# KiCad board Claculator_Display.kicad_pcb (continued)
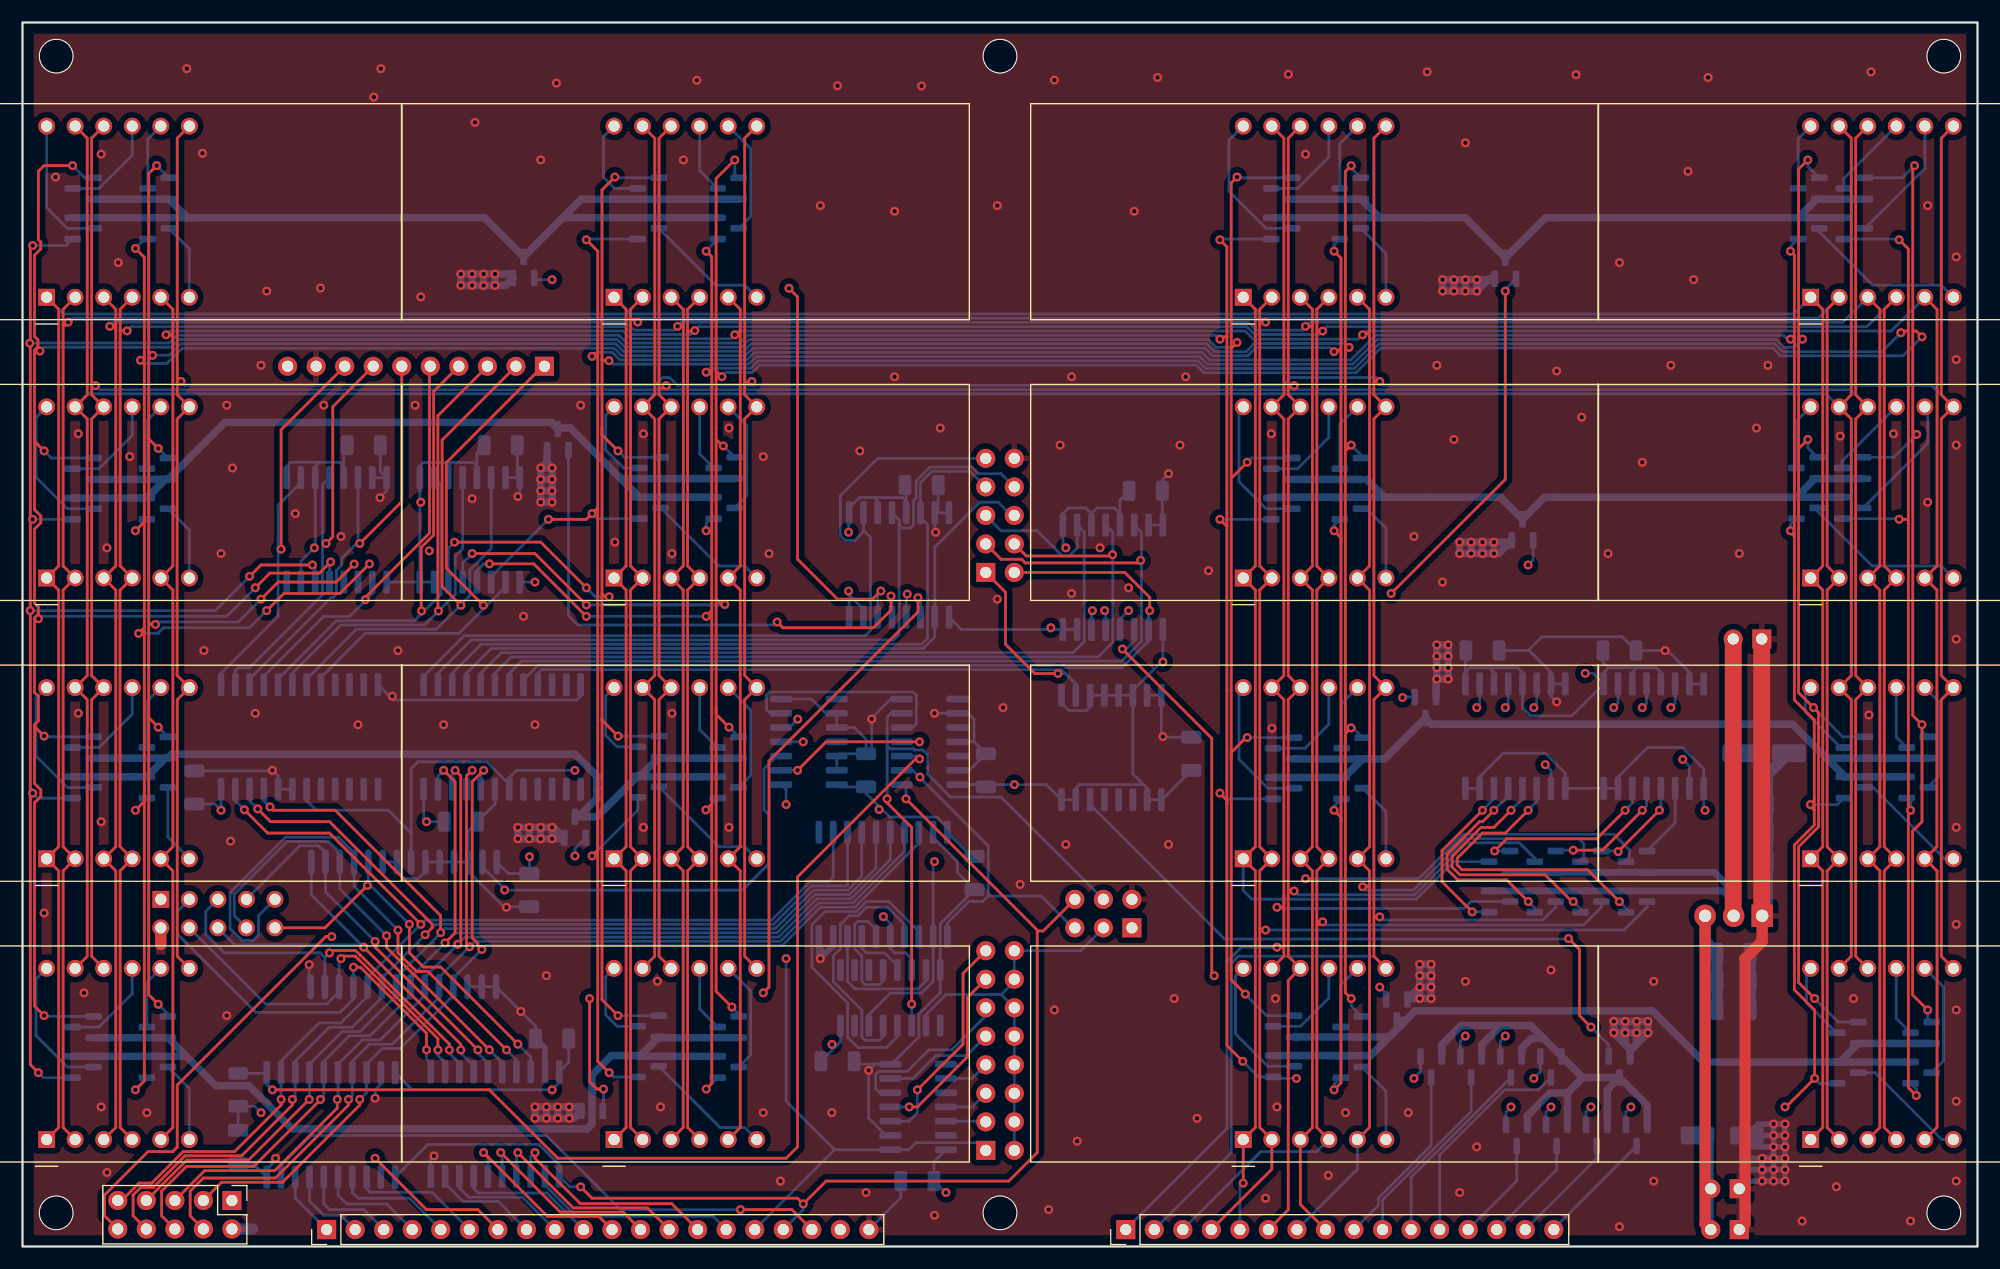
[diagram p0: board, top side]
## Routing (per net, layer and track width the routed paths; a pad name or vN(x,y) marks a point on that pad's centre or on a via; arc(x,y) is an arc through that point) (continued)
DISP0b: length 75.1
  Bottom w0.25: U10.1 35.71,50.79 39.31,54.39 75.02,54.39 75.47,54.84 75.47,63.15 74.84,63.77 U34.2 74.84,63.66 74.06,62.88 73.22,62.88 72.8,63.3 72.8,66.88 76.11,70.18 J8.9
DISP1b: length 70.4
  Bottom w0.25: 78.02,64.6 78.02,64.28 78.3,63.99 79.01,63.99 79.3,64.29 79.3,66.42 79.55,66.67 79.55,68.19 80.77,69.41 84.5,69.41 85.09,68.82 87.09,68.82 J8.8 ; 78.02,64.6 78.02,64.71 U34.4 ; 78.02,64.6 78.02,54.51 77.52,54.01 39.94,54.01 36.98,51.05 U10.2
DISP2b: length 65.5
  Bottom w0.25: J8.7 84.35,69.03 80.92,69.03 79.92,68.03 U34.6 79.92,64.91 80.55,64.29 80.55,54.17 80.02,53.64 40.83,53.64 38.25,51.05 U10.3
DISP3b: length 61.3
  Bottom w0.25: J8.6 88.02,65.1 86.84,66.28 85.2,66.28 81.2,62.27 U34.10 81.2,54.28 80.18,53.26 41.73,53.26 39.52,51.05 U10.4
DISP4b: length 78.5
  Bottom w0.25: U10.5 40.79,51.05 42.62,52.88 93.51,52.88 94.5,53.87 94.5,63.62 U35.2 93.87,62.21 93.16,61.49 92.56,61.49 90.31,63.74 87.09,63.74 J8.5
DISP5b: length 77.1
  Top w0.25: v1(97.02,61.6) 96.91,61.49 89.34,61.49 J8.4
  Bottom w0.25: U10.6 42.06,51.05 43.51,52.5 95.73,52.5 97.04,53.81 97.04,61.58 v1(97.02,61.6) 97.04,61.62 97.04,63.62 U35.4
DISP6b: length 83.7
  Top w0.25: v1(99.52,61.1) 99.3,60.88 89.24,60.88 88.92,61.2 87.09,61.2 J8.3
  Bottom w0.25: U10.7 43.33,51.05 44.41,52.13 97.83,52.13 99.6,53.89 99.6,61.02 v1(99.52,61.1) 99.6,61.18 99.6,63.6 U35.6
DISP7b: length 74.6
  Top w0.25: J8.2 98.1,60.02 100.32,57.81 v1(100.32,56.63)
  Bottom w0.25: U10.8 44.6,50.45 45.89,51.75 92.64,51.75 92.84,51.55 97.85,51.55 100.22,53.92 U35.10 100.22,56.53 v1(100.32,56.63)
DISP8b: length 65.3
  Top w0.25: J8.1 87.48,58.27 87.48,53.63 90.09,51.03 v1(92.16,51.03)
  Bottom w0.25: U10.9 45.87,51.05 46.19,51.37 92.48,51.37 93.64,50.22 ; 93.64,50.22 93.74,50.11 U36.2 ; 93.64,50.22 92.83,51.03 v1(92.16,51.03)
Phi2: length 58.5
  In2.Cu w0.25: v1(67.96,25.64) v1(67.96,39.36)
  Bottom w0.25: U4.1 67.96,40.69 v1(67.96,39.36) ; J1.1 85.05,9.25 79.51,9.25 78.89,8.62 U8.1 72.28,8.62 ; 72.28,8.62 67.96,12.94 v1(67.96,25.64) ; 72.28,8.62 J4.16
RAM_A0: length 105
  Top w0.25: v1(35.45,28.69) 35.45,28.7 27.33,36.82 21.83,36.82 v1(19.75,38.89) ; v1(23.02,13.1) 23.02,12.6 18.87,8.45 14.31,8.45 11.51,5.65 10.38,5.65 8.83,4.1 J3.9
  Bottom w0.25: v1(23.02,13.1) 23.01,13.11 U1.12 23.01,16.5 26.41,19.91 28.34,19.91 30.72,22.29 30.72,23.96 v1(35.45,28.69) 35.83,29.06 66.67,29.06 70.09,32.49 71.77,32.49 72.15,32.88 U6.12 ; U9.23 18.94,39.7 v1(19.75,38.89)
RAM_A1: length 109.4
  Top w0.25: v1(20.94,38.97) 22.08,37.83 27.33,37.83 36.47,28.7 36.47,28.4 v1(35.84,27.77) ; J3.8 9.84,2.73 9.84,4.59 10.53,5.28 11.66,5.28 14.46,8.08 19.5,8.08 24.02,12.6 v1(24.02,13.1)
  Bottom w0.25: v1(24.02,13.1) 24.28,13.36 U1.13 24.28,16.5 27.31,19.53 29.34,19.53 31.99,22.18 U5.9 31.99,23.91 33.68,25.6 33.68,25.6 33.68,25.6 35.84,27.76 v1(35.84,27.77) 35.85,27.77 36.77,28.69 66.82,28.69 70.25,32.11 73.3,32.11 73.42,32.24 U6.13 ; U9.22 20.21,39.7 v1(20.94,38.97)
RAM_A2: length 104.8
  Top w0.25: v1(37.22,27.96) 37.22,29.46 27.83,38.85 22.33,38.85 v1(22.03,39.15) ; J3.7 14.62,7.7 20.12,7.7 v1(25.52,13.1)
  Bottom w0.25: U9.21 21.48,39.7 v1(22.03,39.15) ; v1(25.52,13.1) 25.55,13.13 U1.14 25.55,16.24 28.45,19.15 30.05,19.15 33.26,22.36 U5.8 33.26,23.96 37.22,27.91 v1(37.22,27.96) 37.57,28.31 66.97,28.31 70.4,31.74 73.45,31.74 74.7,32.98 U6.14
RAM_A3: length 103.4
  Top w0.25: v1(26.52,13.1) 26.52,13.07 20.58,7.13 14.59,7.13 12.39,4.93 12.39,2.73 J3.6 ; v1(37.48,42.4) 38.5,41.39 38.5,27.92 v1(37.61,27.04)
  Bottom w0.25: v1(37.48,42.4) 36.98,41.9 U10.23 ; 75.96,36.89 75.96,33.72 73.59,31.34 70.54,31.34 67.13,27.93 38.51,27.93 v1(37.61,27.04) 34.53,23.96 U5.7 34.53,22.36 30.94,18.77 29.09,18.77 26.82,16.5 U1.15 26.82,13.4 v1(26.52,13.1)
RAM_A4: length 99.5
  Top w0.25: J3.5 16.22,6.76 22.44,6.76 28.02,12.33 v1(28.02,13.1) ; v1(38.5,42.41) 39.01,41.9 39.01,27.18 v1(38.75,26.92)
  Bottom w0.25: U10.22 38.25,42.15 v1(38.5,42.41) ; U6.16 77.23,34.45 73.75,30.97 70.7,30.97 67.29,27.55 39.38,27.55 v1(38.75,26.92) 35.8,23.97 U5.6 35.8,22.36 31.84,18.4 30.24,18.4 28.09,16.24 U1.16 28.09,13.17 v1(28.02,13.1)
RAM_A5: length 102.8
  Top w0.25: v1(39.8,26.69) 39.52,26.97 39.52,41.9 v1(40.02,42.41) ; J3.4 14.92,2.73 14.92,4.93 16.09,6.1 22.52,6.1 29.02,12.6 v1(29.02,13.1)
  Bottom w0.25: v1(40.02,42.41) 39.52,41.9 U10.21 ; v1(29.02,13.1) 29.36,13.44 U1.17 29.36,16.5 30.87,18.02 32.91,18.02 37.07,22.18 U5.5 37.07,23.98 39.79,26.69 v1(39.8,26.69) 39.8,26.7 40.27,27.18 67.44,27.18 70.86,30.59 73.9,30.59 78.51,35.19 U6.17
RAM_A6: length 99
  Top w0.25: v1(41.04,42.4) 40.02,41.39 40.02,27.49 40.52,26.99 40.52,26.81 v1(40.88,26.45) ; v1(30.02,13.1) 30.02,12.6 23.14,5.72 17.72,5.72 J3.3
  Bottom w0.25: v1(41.04,42.4) 40.79,42.15 U10.20 ; U6.18 79.77,35.93 74.06,30.21 71.01,30.21 67.6,26.8 41.23,26.8 v1(40.88,26.45) 38.34,23.91 38.34,22.36 33.62,17.64 32.03,17.64 30.63,16.24 U1.18 30.63,13.71 v1(30.02,13.1)
RAM_D0: length 161.7
  Top w0.25: v1(29.45,24.87) 30.08,24.87 35.96,18.99 v1(35.96,17.51)
  In2.Cu w0.25: v1(35.96,17.51) 36.25,17.8 36.25,17.81 36.68,18.24 37.21,18.24 38.74,19.76 44.81,19.76 45.2,19.38 68.84,19.38 97.29,47.82 127.26,47.82 128.83,49.39 134.61,49.39 135.58,48.43 135.58,47.55 134.66,46.64 130.79,46.64 v1(129.43,47.99)
  Bottom w0.25: v1(129.43,47.99) 129.69,48.25 U14.2 ; v1(29.45,24.87) U5.11 29.45,22.03 28.27,20.85 20.77,20.85 13.77,27.84 13.77,29.84 J2.3 ; v1(35.96,17.51) 35.96,16.72 36.34,16.34 U2.11
RAM_D1: length 153.4
  Top w0.25: v1(28.34,25.64) 28.56,25.86 29.61,25.86 29.92,25.55 29.93,25.55 36.98,18.51 v1(36.98,17.51)
  In2.Cu w0.25: v1(131.97,47.99) 132.99,46.98 134.52,46.98 135.24,47.69 135.24,48.29 134.47,49.06 128.97,49.06 127.4,47.48 97.43,47.48 68.98,19.04 45.06,19.04 44.67,19.42 38.88,19.42 36.98,17.52 v1(36.98,17.51)
  Bottom w0.25: v1(36.98,17.51) 36.98,17 37.61,16.37 U2.12 ; v1(28.34,25.64) 28.18,25.48 28.18,23.14 ; v1(131.97,47.99) 132.23,48.25 U14.4 ; 28.18,23.14 28.18,22.7 27.08,21.6 21.63,21.6 J2.4 ; 28.18,23.14 28.12,23.2
RAM_D2: length 147.5
  Top w0.25: v1(37.99,17.51) 37.99,18.02 30.09,25.93 30.07,25.93 29.64,26.36 27.54,26.36 v1(27.32,26.15)
  In2.Cu w0.25: v1(134.51,47.99) 133.79,48.72 129.11,48.72 127.54,47.15 97.6,47.15 69.15,18.7 44.91,18.7 44.53,19.08 39.55,19.08 37.99,17.52 v1(37.99,17.51)
  Bottom w0.25: v1(134.51,47.99) 134.77,48.25 U14.6 ; U5.13 26.91,25.74 ; J2.5 16.31,29.84 16.31,27.8 17.97,26.15 26.5,26.15 26.91,25.74 ; U2.13 38.88,16.33 37.99,17.22 v1(37.99,17.51) ; 26.91,25.74 v1(27.32,26.15)
RAM_D3: length 148
  Top w0.25: v1(39.01,17.51) 39.01,18.02 v1(30.37,26.66)
  In2.Cu w0.25: 69.35,18.36 44.77,18.36 44.39,18.75 40.24,18.75 v1(39.01,17.51) ; 69.35,18.36 93.51,42.53 135.14,42.53 v1(135.53,42.91)
  Bottom w0.25: U14.10 136.04,42.4 v1(135.53,42.91) ; v1(39.01,17.51) 39.01,17.24 40.15,16.09 U2.14 ; U5.15 25.7,31.32 v1(30.37,26.66) 30.15,26.87 18.9,26.87 J2.6
RAM_D4: length 169.5
  Top w0.25: v1(40.53,17.51) 31.39,26.66 v1(31.39,27.16)
  In2.Cu w0.25: v1(141.62,47.99) 142.35,47.27 144.95,47.27 146.4,48.72 147,48.72 148.83,46.89 148.83,42.94 147.4,41.51 93.94,41.51 69.77,17.34 44.91,17.34 44.36,16.79 41.26,16.79 40.83,17.22 40.83,17.51 v1(40.53,17.51)
  Bottom w0.25: v1(40.53,17.51) 40.53,17.22 41.42,16.33 U2.15 ; v1(31.39,27.16) 26.97,31.58 U5.16 26.97,35.06 26.35,35.69 24.7,35.69 J2.7 ; U15.2 142,48.37 v1(141.62,47.99)
RAM_D5: length 174.8
  Top w0.25: v1(41.55,17.52) 34.94,24.13 34.91,24.13 32.4,26.63 v1(32.4,27.67)
  In2.Cu w0.25: v1(144.16,47.99) 142.42,49.73 128.69,49.73 127.12,48.16 97.15,48.16 68.7,19.72 45.34,19.72 44.95,20.1 37.52,20.1 35.23,17.81 35.23,17.21 35.66,16.79 39.31,16.79 39.73,17.21 39.73,17.76 40.21,18.24 40.83,18.24 v1(41.55,17.52) 41.26,17.52
  Bottom w0.25: U2.16 42.69,16.37 41.55,17.51 v1(41.55,17.52) ; J2.8 18.86,29.45 18.86,31.37 23.55,36.06 27.24,36.06 28.24,35.06 28.24,31.84 32.4,27.68 v1(32.4,27.67) ; v1(144.16,47.99) 144.54,48.37 144.54,50.1
RAM_D6: length 174
  Top w0.25: v1(33.42,28.18) 33.42,26.15 35.06,24.51 36.08,24.51 v1(43.07,17.51)
  In2.Cu w0.25: v1(43.07,17.51) 43.29,17.29 44.39,17.29 44.77,17.68 69.63,17.68 93.8,41.85 147.26,41.85 148.49,43.08 148.49,46.21 v1(146.7,47.99)
  Bottom w0.25: U2.17 43.96,16.62 v1(43.07,17.51) ; v1(146.7,47.99) 147.08,48.37 U15.6 ; J2.9 21.01,29.45 21.01,27.73 20.52,27.25 19.54,27.25 18.48,28.31 18.48,31.52 23.4,36.44 28.13,36.44 29.51,35.06 U5.18 29.51,32.09 v1(33.42,28.18)
RAM_D7: length 152.8
  Top w0.25: v1(34.43,28.69) 34.44,28.69 34.44,26.15 35.7,24.88 37.22,24.88 v1(44.09,18.02) ; J2.10 26.92,28.38 v1(30.7,32.16)
  In2.Cu w0.25: v1(147.76,43.38) 146.57,42.19 93.65,42.19 69.49,18.02 v1(44.09,18.02)
  Bottom w0.25: U2.18 45.23,16.88 v1(44.09,18.02) ; U15.10 148.35,42.78 147.72,43.42 ; 30.78,34.24 30.78,32.34 30.7,32.42 v1(30.7,32.16) 30.97,32.16 v1(34.43,28.69)
RAM_WEb: length 92
  Top w0.25: v1(27.52,27.6) 26.99,27.6 13.77,14.38 13.77,8.85 13.37,8.45 11.17,8.45 7.3,4.59 7.3,2.73 J3.10
  In2.Cu w0.25: v1(42.91,31.75) 31.67,31.75 v1(27.52,27.6)
  Bottom w0.25: U4.3 67.14,43.67 66,42.53 66,38.89 66.42,38.46 66.42,34.08 64.08,31.74 43.01,31.74 42.99,31.75 v1(42.91,31.75) 42.91,31.83 40.94,33.8 40.94,34.24
SEG_A: length 527.8
  Top w0.25: U23.11 56.27,25.84 56.27,48.69 U21.11 56.28,50.86 56.28,73.68 U19.11 56.28,75.86 56.28,98.68 U13.11 ; 112.27,31.23 112.27,30.21 v1(111.65,30.21) ; 112.27,31.23 112.27,26.66 ; 112.27,31.23 112.27,48.69 U28.11 112.27,50.84 112.27,73.69 U26.11 112.27,75.84 112.27,98.69 U24.11 ; 112.27,26.66 v1(111.65,26.66) ; 112.27,26.66 112.27,25.84 U30.11 ; U22.11 5.77,25.84 5.77,48.69 U20.11 5.77,50.84 5.77,73.69 U18.11 5.77,75.84 5.77,98.69 U12.11 ; U25.11 162.76,98.69 162.76,75.84 U27.11 162.76,73.69 162.76,50.84 U29.11 162.76,48.69 162.76,25.84 U31.11
  Bottom w0.25: U18.11 5.85,75.93 56.35,75.93 ; 56.35,75.93 U19.11 ; 56.35,75.93 112.35,75.93 ; 112.35,75.93 160.53,75.93 U27.11 ; 112.35,75.93 U26.11 ; v1(111.65,26.66) 108.48,26.66 107.2,25.37 107.2,10.52 J6.1 ; Q1.1 128.91,30.72 128.3,30.11 128.3,30.1 111.76,30.1 v1(111.65,30.21)
SEG_B: length 531.9
  Top w0.25: 120.27,29.2 120.27,48.69 U28.7 120.27,50.84 120.27,73.69 U26.7 120.27,75.84 120.27,76.95 ; 120.27,29.2 120.43,29.35 v1(120.8,29.35) ; 120.27,29.2 120.27,25.84 U30.7 ; 120.27,76.95 120.27,98.69 U24.7 ; 120.27,76.95 120.36,77.03 v1(120.8,77.03) ; U22.7 13.77,25.84 13.77,48.69 U20.7 13.76,50.86 13.76,73.68 U18.7 13.77,75.84 13.77,98.69 U12.7 ; U23.7 64.27,25.84 64.27,48.69 U21.7 64.27,50.84 64.27,73.69 U19.7 64.27,75.84 64.27,77.46 ; 64.27,77.46 64.27,98.69 U13.7 ; 64.27,77.46 64.27,77.08 64.41,76.95 64.83,76.95 v1(64.92,77.03) ; U31.7 170.77,25.84 170.77,48.69 U29.7 170.77,50.84 170.77,73.69 U27.7 170.77,75.84 170.77,98.69 U25.7
  Bottom w0.25: U30.7 120.27,25.84 108.2,25.84 107.58,25.22 107.58,8.35 J6.2 ; 64.92,76.95 65.18,76.69 ; 64.92,76.95 v1(64.92,77.03) ; 64.92,76.95 64.65,76.69 ; 65.18,76.69 64.65,76.69 ; 65.18,76.69 112.16,76.69 112.86,77.38 120.45,77.38 121.14,76.69 ; 121.14,76.69 v1(120.8,77.03) ; 121.14,76.69 169.93,76.69 U27.7 ; Q2.1 136.47,30.23 135.31,29.08 121.07,29.08 v1(120.8,29.35) ; 64.65,76.69 58.29,76.69 57.6,77.38 57,77.38 56.3,76.69 14.46,76.69 v1(14.12,77.03)
SEG_C: length 516.2
  Top w0.25: 8.69,81.52 8.71,81.54 v1(9.31,81.54) ; 8.69,81.52 8.69,60.6 U18.4 8.68,58.44 8.68,35.62 U20.4 8.69,33.45 8.69,10.6 U22.4 ; 8.69,81.52 8.69,83.45 U12.4 ; v1(59.84,81.57) 59.79,81.52 59.2,81.52 ; 115.2,81.52 115.2,60.6 U26.4 115.2,58.45 115.2,35.6 U28.4 115.2,33.45 115.2,28.69 ; 115.2,81.52 115.2,83.45 U24.4 ; 115.2,81.52 v1(115.72,81.52) ; U30.4 115.2,10.6 115.2,28.69 ; v1(115.72,28.91) 115.49,28.69 115.2,28.69 ; U13.4 59.2,83.45 59.2,81.52 ; 59.2,81.52 59.2,60.6 U19.4 59.2,58.45 59.2,35.6 U21.4 59.2,33.45 59.2,10.6 U23.4 ; U31.4 165.69,10.6 165.69,33.45 U29.4 165.69,35.6 165.69,58.45 U27.4 165.69,60.6 165.69,83.45 U25.4
  Bottom w0.25: Q3.1 140.53,30.23 138.93,28.63 116,28.63 v1(115.72,28.91) 115.72,28.69 ; v1(115.72,81.52) 116.11,81.91 ; 116.11,81.91 164.15,81.91 U25.4 ; 116.11,81.91 115.41,81.22 109.65,81.22 108.96,81.91 60.18,81.91 v1(59.84,81.57) 59.49,81.22 54.28,81.22 53.58,81.91 9.69,81.91 v1(9.31,81.54) ; J6.3 110.21,8.45 115.2,8.45 U30.4
SEG_D: length 519
  Top w0.25: J6.4 111.19,6.89 U30.2 110.11,10.6 110.11,28.18 ; U25.2 160.62,83.45 160.62,60.6 U27.2 160.62,58.45 160.62,35.6 U29.2 160.62,33.45 160.62,10.6 U31.2 ; U23.2 54.11,10.6 54.11,33.45 U21.2 54.11,35.6 54.11,58.45 U19.2 54.11,60.6 54.11,82.54 ; 3.61,82.03 3.77,82.03 v1(4.06,82.32) ; 3.61,82.03 3.61,83.45 U12.2 ; 3.61,82.03 3.61,60.6 U18.2 3.61,58.45 3.61,35.6 U20.2 3.61,33.45 3.61,10.6 U22.2 ; 54.11,82.54 54.11,83.45 U13.2 ; 54.11,82.54 54.54,82.54 v1(54.76,82.32) ; 110.11,82.03 110.11,82.54 110.42,82.54 v1(110.64,82.32) ; 110.11,82.03 110.11,60.6 U26.2 110.11,58.45 110.11,35.6 U28.2 110.11,33.45 110.11,28.18 ; 110.11,82.03 110.11,83.45 U24.2 ; 110.11,28.18 v1(110.64,28.18)
  Bottom w0.25: 110.98,82.67 159.83,82.67 U25.2 ; 110.98,82.67 v1(110.64,82.32) ; 110.98,82.67 55.26,82.67 ; 55.26,82.67 4.41,82.67 v1(4.06,82.32) ; 55.26,82.67 54.89,82.67 54.76,82.54 v1(54.76,82.32) ; Q4.1 144.59,30.23 142.54,28.18 v1(110.64,28.18)
SEG_E: length 507.9
  Top w0.25: U22.1 3.22,10.6 3.22,33.45 U20.1 3.22,35.6 3.22,58.45 U18.1 3.22,60.6 3.22,83.45 U12.1 ; U31.1 160.22,10.6 160.22,33.45 U29.1 160.22,35.6 160.22,58.45 U27.1 160.22,60.6 160.22,83.45 U25.1 ; U24.1 109.73,83.45 109.73,60.6 U26.1 109.73,58.45 109.73,35.6 U28.1 109.73,33.45 109.73,10.6 U30.1 108.65,5.72 108.64,5.73 v1(108.64,5.64) 108.72,5.64 108.65,5.71 ; U23.1 53.73,10.6 53.73,33.45 U21.1 53.73,35.6 53.73,58.45 U19.1 53.73,60.6 53.73,83.45 U13.1
  Bottom w0.25: J6.5 108.35,5.35 v1(108.64,5.64) ; U12.1 3.64,83.04 54.14,83.04 ; Q8.1 127.39,34.28 124.05,30.94 109.4,30.94 108.65,31.69 U28.1 ; 110.14,83.04 157.66,83.04 U25.1 ; 110.14,83.04 54.14,83.04 ; 110.14,83.04 U24.1 ; 54.14,83.04 U13.1
SEG_F: length 520.9
  Top w0.25: U31.10 163.15,25.84 163.15,48.69 U29.10 163.15,50.84 163.15,73.69 U27.10 163.15,75.84 163.15,98.69 U25.10 ; v1(113.18,31.66) 113.1,31.74 112.65,31.74 ; 112.65,31.74 112.65,48.69 U28.10 112.65,50.84 112.65,73.69 U26.10 112.65,75.84 112.65,76.44 ; 112.65,31.74 112.65,25.84 U30.10 112.65,23.69 112.65,3.28 J6.6 ; v1(57.3,76.66) 57.08,76.44 56.65,76.44 ; 112.65,76.44 112.65,98.69 U24.10 ; 112.65,76.44 112.87,76.66 v1(113.18,76.66) ; U13.10 56.65,98.69 56.65,75.84 U19.10 56.65,73.69 56.65,50.84 U21.10 56.65,48.69 56.65,25.84 U23.10 ; U22.10 6.16,25.84 6.16,48.69 U20.10 6.16,50.84 6.16,73.69 U18.10 6.16,75.84 6.16,98.69 U12.10
  Bottom w0.25: Q7.1 134.59,34.58 133.22,35.95 128.53,35.95 123.9,31.31 113.52,31.31 v1(113.18,31.66) ; v1(113.18,76.66) 113.52,76.31 ; 113.52,76.31 57.64,76.31 ; 113.52,76.31 162.69,76.31 U27.10 ; 57.64,76.31 6.84,76.31 v1(6.5,76.66) ; 57.64,76.31 v1(57.3,76.66)
SEG_G: length 506.4
  Top w0.25: v1(63.39,81.19) 63.55,81.19 63.89,81.52 ; 13.39,81.01 13.39,83.45 U12.5 ; 13.39,81.01 13.39,60.6 U18.5 13.39,58.45 13.39,35.6 U20.5 13.39,33.45 13.39,10.6 U22.5 ; 13.39,81.01 13.21,81.19 v1(12.78,81.19) ; 119.89,32.24 119.68,32.04 v1(119.27,32.04) ; 119.89,32.24 119.89,10.6 U30.5 ; 119.89,32.24 119.89,33.45 U28.5 119.9,35.62 119.9,58.44 U26.5 119.89,60.6 119.89,81.52 ; 63.89,81.52 63.89,60.6 U19.5 63.89,58.45 63.89,35.6 U21.5 63.89,33.45 63.89,10.6 U23.5 ; 63.89,81.52 63.89,83.45 U13.5 ; U24.5 119.89,83.45 119.89,81.52 ; U25.5 170.4,83.44 170.4,60.62 U27.5 170.38,58.45 170.38,35.6 U29.5 170.4,33.44 170.4,10.62 U31.5 ; 119.89,81.52 119.55,81.19 v1(119.27,81.19)
  Bottom w0.25: v1(119.27,32.04) 119.57,31.74 123.78,31.74 128.38,36.33 138.5,36.33 138.95,35.87 138.95,34.58 Q6.1 ; U25.5 166.3,81.52 119.6,81.52 v1(119.27,81.19) 118.88,80.79 109.54,80.79 108.82,81.52 63.72,81.52 v1(63.39,81.19) 63.04,80.84 54.12,80.84 53.44,81.52 13.11,81.52 v1(12.78,81.19) ; J6.7 118.81,6.89 U30.5
SEG_H: length 514.4
  Top w0.25: 8.3,81.52 8.3,83.45 U12.3 ; 8.3,81.52 8.3,60.6 U18.3 8.3,58.45 8.3,35.6 U20.3 8.3,33.45 8.3,10.6 U22.3 ; 8.3,81.52 8.3,81.92 8.2,82.03 7.86,82.03 v1(7.77,81.94) ; 114.8,82.03 114.8,83.45 U24.3 ; 114.8,82.03 114.8,60.6 U26.3 114.8,58.45 114.8,35.6 U28.3 114.8,33.45 114.8,32.75 ; 114.8,82.03 114.72,81.94 v1(114.19,81.94) ; U25.3 165.31,83.45 165.31,60.6 U27.3 165.31,58.45 165.31,35.6 U29.3 165.31,33.45 165.31,10.6 U31.3 ; J6.8 113.73,3.75 U30.3 114.8,10.6 114.8,32.75 ; 58.82,82.03 58.82,83.44 U13.3 ; 58.82,82.03 58.82,60.62 U19.3 58.8,58.45 58.8,35.6 U21.3 58.8,33.45 58.8,10.6 U23.3 ; 58.82,82.03 58.73,81.94 v1(58.31,81.94) ; 114.8,32.75 v1(114.19,32.75)
  Bottom w0.25: v1(58.31,81.94) 58.66,82.29 ; 58.66,82.29 57.96,81.59 54.44,81.59 53.74,82.29 8.12,82.29 v1(7.77,81.94) ; 58.66,82.29 109.11,82.29 109.81,81.59 113.93,81.59 114.62,82.29 ; 114.62,82.29 114.28,81.94 v1(114.19,81.94) ; 114.62,82.29 161.99,82.29 U25.3 ; v1(114.19,32.75) 114.2,32.76 124.28,32.76 128.22,36.7 141.63,36.7 143.02,35.32 143.02,34.58 Q5.1
Sel: length 98
  In2.Cu w0.25: v1(49.17,42.4) 49.89,41.68 79.75,41.68 v1(79.88,41.81)
  Bottom w0.25: U5.22 34.59,36.82 ; 34.59,36.82 32.56,38.85 26.14,38.85 25.29,39.7 U9.18 ; 34.59,36.82 34.59,42.56 35.2,43.17 41.31,43.17 43.33,41.15 U10.18 43.33,41.75 43.98,42.4 v1(49.17,42.4) ; 85.95,31.21 85.46,30.72 84.22,30.72 82.31,28.81 U6.1 ; 85.95,31.21 85.95,35.68 79.88,41.75 v1(79.88,41.81) 79.83,41.81 79.23,42.4 U3.2 ; 85.95,31.21 90.66,31.21 93.49,28.38 J9.5
SelB: length 108.3
  Top w0.25: 90.32,28.1 90.32,28.18 v1(78.63,39.86) ; 90.32,28.1 90.32,8.37 87.78,5.83 71.52,5.83 v1(69.49,3.8) 68.98,4.3 50.69,4.3 v1(49.68,5.32) ; 90.32,28.1 90.84,28.1 J9.6
  Bottom w0.25: J4.17 69.49,3.29 v1(69.49,3.8) ; v1(78.63,39.86) 78.63,40.76 U3.1 ; v1(49.68,5.32) 48.71,5.32 U2.1 47.77,7.28 45.96,9.09 36.08,9.09 U1.1
WEb: length 52.9
  Top w0.25: v1(63.9,3.29) 68.47,3.29 J4.18
  Bottom w0.25: v1(63.9,3.29) 53.23,3.29 46.63,9.89 25.69,9.89 23.01,7.2 U1.9
Net-(J6-Pin_9): length 16.4
  Bottom w0.25: J6.9 120.67,3.67 120.67,4.31 125.37,9 Q87.1
Net-(J6-Pin_10): length 16.8
  Bottom w0.25: J6.10 121.05,4.15 128.92,12.03 Q85.1
Net-(J6-Pin_11): length 17.2
  Bottom w0.25: J6.11 123.59,6.16 Q83.1
Net-(J6-Pin_12): length 19.4
  Bottom w0.25: J6.12 126.13,8.17 131.92,13.96 134.94,13.96 Q81.1
Net-(J6-Pin_13): length 9.2
  Bottom w0.25: J6.13 132.99,5.83 Q88.1
Net-(J6-Pin_14): length 9.7
  Bottom w0.25: Q86.1 136.54,6.84 J6.14
Net-(J6-Pin_15): length 10.1
  Bottom w0.25: J6.15 140.1,7.86 Q84.1
Net-(J6-Pin_16): length 10.5
  Bottom w0.25: J6.16 136.29,1.59 Q82.1
Net-(J9-Pin_4): length 55.8
  Top w0.25: v1(76.95,39.86) 76.95,39.51 79.14,37.32 v1(79.14,21.58)
  Bottom w0.25: v1(79.14,21.58) U7.11 ; 76.95,44.6 76.95,47.16 77.28,47.48 U3.6 ; 76.95,44.6 v1(76.95,39.86) ; 76.95,44.6 76.95,44.59 77.23,44.32 79.28,44.32 79.38,44.22 80.14,44.22 80.56,43.79 80.56,42.06 82.59,40.03 87.09,40.03 J9.4
Net-(Q1-G): length 15.5
  Top w0.25: v1(129.94,38.85) 126.34,35.25 126.34,32.48 v1(129.02,29.8)
  Bottom w0.25: U14.14 130.96,39.87 129.94,38.86 v1(129.94,38.85) ; v1(129.02,29.8) 130.49,29.8 Q1.2
Net-(Q2-G): length 19.2
  Top w0.25: v1(134.02,30.72) 132.09,32.65 127.74,32.65 126.79,33.6 126.79,34.95 129.67,37.83 129.95,37.83 130.96,38.84 v1(130.96,38.85)
  Bottom w0.25: Q2.2 134.59,30.15 v1(134.02,30.72) ; U14.13 132.23,40.12 v1(130.96,38.85)
Net-(Q3-G): length 23.5
  Top w0.25: v1(138.02,30.72) 137.9,30.72 135.52,33.1 127.93,33.1 127.24,33.79 127.24,34.76 129.8,37.32 130.96,37.32 v1(132.48,38.85)
  Bottom w0.25: v1(138.02,30.72) 138.65,30.09 Q3.2 ; v1(132.48,38.85) 133.5,39.86 U14.12
Net-(Q4-G): length 27.9
  Top w0.25: v1(134,38.85) 131.97,36.82 129.93,36.82 127.69,34.58 127.69,33.98 128.12,33.55 139.29,33.55 v1(142.12,30.72)
  Bottom w0.25: Q4.2 142.72,30.12 v1(142.12,30.72) ; v1(134,38.85) 134.77,39.61 U14.11
Net-(Q5-G): length 6.6
  Bottom w0.25: Q5.2 147.08,37.72 U15.11
Net-(Q6-G): length 8.7
  Top w0.25: v1(145.69,38.85) 142.02,35.18 v1(142.02,35.17)
  Bottom w0.25: v1(142.02,35.17) 141.96,35.23 Q6.2 ; v1(145.69,38.85) 145.81,38.97 U15.12
Net-(Q7-G): length 11.3
  Top w0.25: v1(144.16,38.85) 140.61,35.29 v1(138.02,35.29)
  Bottom w0.25: 144.54,40.8 144.54,39.23 v1(144.16,38.85) ; Q7.2 136.53,35.29 v1(138.02,35.29)
Net-(Q8-G): length 16.7
  Top w0.25: v1(131.02,35.23) 132.1,36.31 140.1,36.31 v1(142.64,38.85)
  Bottom w0.25: U15.14 143.27,39.48 v1(142.64,38.85) ; v1(131.02,35.23) Q8.2
Net-(Q9-D): length 6.9
  Bottom w0.25: Q9.1 14.85,88.84 U12.6
Net-(Q10-D): length 6
  Bottom w0.25: U12.8 11.15,98.61 Q10.1
Net-(Q10-S): length 86.7
  Bottom w0.67: 15.13,91.61 14.68,91.61 Q10.3 Q11.3 ; 15.13,91.61 Q9.3 Q12.3 ; 15.13,91.61 41.11,91.61 Q18.1 47.64,91.17 ; 47.64,91.17 49.74,93.27 Q16.3 ; 47.64,91.17 48.09,91.61 Q15.3
Net-(Q11-D): length 9.1
  Bottom w0.25: U12.9 9.77,97.19 6.8,94.22 Q11.1
Net-(Q12-D): length 12.2
  Bottom w0.25: U12.12 2.15,92.51 4,90.66 Q12.1
Net-(Q13-D): length 7
  Bottom w0.25: Q13.1 14.85,63.8 U18.6
Net-(Q13-S): length 79.7
  Bottom w0.67: Q20.3 Q22.3 ; Q20.3 12.72,68.31 Q13.3 Q24.3 ; Q20.3 18.02,73.39 47.06,73.39 Q26.1 47.72,72.88 48.75,72.88 53.02,68.61 ; 53.02,68.61 53.26,68.38 Q25.3 Q23.3 ; 53.02,68.61 Q19.3 Q21.3
Net-(Q14-D): length 11.3
  Bottom w0.25: Q14.1 61.69,85.6 64.27,85.6 U13.6
Net-(Q15-D): length 10.4
  Bottom w0.25: U13.8 64.81,97.77 64.81,91.73 Q15.1
Net-(Q16-D): length 6.2
  Bottom w0.25: U13.9 60.27,95.82 Q16.1
Net-(Q17-D): length 8.4
  Bottom w0.25: U13.12 51.71,98.83 51.71,95.23 52.71,94.22 Q17.1
Net-(Q19-D): length 11.1
  Bottom w0.25: Q19.1 61.95,60.6 64.27,60.6 U19.6
Net-(Q20-D): length 6
  Bottom w0.25: U18.8 11.07,73.53 Q20.1
Net-(Q21-D): length 10.1
  Bottom w0.25: Q21.1 64.45,66.83 64.45,73.13 U19.8
Net-(Q22-D): length 9.1
  Bottom w0.25: Q22.1 6.8,69.26 9.77,72.23 U18.9
Net-(Q23-D): length 6
  Bottom w0.25: Q23.1 60.27,70.57 U19.9
Net-(Q24-D): length 13
  Bottom w0.25: Q24.1 4,65.71 1.2,68.51 1.2,73.82 U18.12
Net-(Q25-D): length 7.8
  Bottom w0.25: U19.12 51.9,74.02 51.9,70.93 53.5,69.33 Q25.1
Net-(Q27-D): length 7.1
  Bottom w0.25: U20.6 14.85,34.56 12.94,36.46 Q27.1
Net-(Q27-S): length 83.2
  Bottom w0.67: Q28.3 51.12,38.26 Q35.1 ; Q28.3 54.82,41.83 Q30.3 ; Q28.3 54.98,41.9 Q34.3 56.7,43.49 Q32.3 ; Q29.3 13.31,43.85 49.17,43.85 51.12,41.9 51.12,39.92 49.47,38.26 ; Q29.3 Q31.3 ; Q29.3 12.72,43.49 Q27.3 Q33.3
Net-(Q28-D): length 11.4
  Bottom w0.25: U21.6 64.27,35.6 61.97,35.6 Q28.1
Net-(Q29-D): length 5.8
  Bottom w0.25: Q29.1 11.07,48.53 U20.8
Net-(Q30-D): length 10.2
  Bottom w0.25: Q30.1 64.81,41.94 64.81,47.77 U21.8
Net-(Q31-D): length 8.9
  Bottom w0.25: Q31.1 6.8,44.44 9.77,47.4 U20.9
Net-(Q32-D): length 6
  Bottom w0.25: Q32.1 60.27,46.03 U21.9
Net-(Q33-D): length 12.8
  Bottom w0.25: U20.12 1.2,48.82 1.2,43.68 4,40.88 Q33.1
Net-(Q34-D): length 7.8
  Bottom w0.25: U21.12 51.9,49.02 51.9,45.53 52.93,44.5 Q34.1
Net-(Q36-D): length 7.2
  Bottom w0.25: Q36.1 14.85,14.08 U22.6
Net-(Q36-S): length 90.8
  Bottom w0.25: Q36.3 Q42.3 ; 12.72,18.59 Q38.3
  Bottom w0.67: 14.58,16.96 14.56,16.94 Q42.3 ; 14.58,16.96 Q38.3 Q40.3 ; 14.58,16.96 17.22,14.32 20.15,14.32 24,10.48 50.26,10.48 50.69,10.91 Q44.1 50.69,15.28 52.42,17 Q37.3 ; Q39.3 54.82,16.94 Q37.3 ; Q37.3 54.98,17 Q43.3 56.7,18.59 Q41.3
Net-(Q37-D): length 11.4
  Bottom w0.25: Q37.1 62.08,10.6 64.27,10.6 U23.6
Net-(Q38-D): length 5.7
  Bottom w0.25: Q38.1 11.07,23.53 U22.8
Net-(Q39-D): length 10
  Bottom w0.25: Q39.1 64.81,17.05 64.81,22.77 U23.8
Net-(Q40-D): length 8.8
  Bottom w0.25: Q40.1 6.8,19.54 9.77,22.51 U22.9
Net-(Q41-D): length 5.9
  Bottom w0.25: Q41.1 60.27,21.14 U23.9
Net-(Q42-D): length 12.7
  Bottom w0.25: U22.12 1.2,23.82 1.2,18.79 4,15.99 Q42.1
Net-(Q43-D): length 7.7
  Bottom w0.25: Q43.1 52.93,19.61 51.9,20.64 51.9,24.02 U23.12
Net-(Q45-D): length 7.1
  Bottom w0.25: Q45.1 121.35,88.43 U24.6
Net-(Q45-S): length 69
  Bottom w0.67: Q46.3 135.54,91.61 Q53.1 128.4,91.61 120.8,91.61 ; Q46.3 Q48.3 ; Q46.3 159.69,93.27 Q50.3 ; 120.8,91.61 119.14,93.27 Q49.3 ; 120.8,91.61 Q51.3
Net-(Q46-D): length 14.7
  Bottom w0.25: Q46.1 159.91,90.36 164.67,85.6 170.77,85.6 U25.6
Net-(Q47-D): length 6.2
  Bottom w0.25: Q47.1 117.24,98.2 U24.8
Net-(Q48-D): length 11.3
  Bottom w0.25: U25.8 169.31,96 Q48.1
Net-(Q49-D): length 9
  Bottom w0.25: U24.9 116.27,97.01 113.48,94.22 Q49.1
Net-(Q50-D): length 7.5
  Bottom w0.25: Q50.1 162.1,95.1 U25.9
Net-(Q51-D): length 13.3
  Bottom w0.25: Q51.1 110.68,90.66 107.37,93.97 107.37,98.49 U24.12
Net-(Q52-D): length 6
  Bottom w0.25: Q52.1 158.04,98.66 U25.12
Net-(Q54-D): length 6.9
  Bottom w0.25: U26.6 121.35,63.98 119.62,65.71
Net-(Q54-S): length 67.6
  Bottom w0.25: 117.54,66.66 117.32,66.66
  Bottom w0.67: 121.21,66.72 131.53,66.72 Q62.1 135.46,66.72 Q55.3 ; 121.21,66.72 119.62,68.31 ; 121.21,66.72 111.21,66.72 ; Q56.3 Q58.3 ; Q57.3 Q55.3 ; Q55.3 159.54,68.38 Q59.3
Net-(Q55-D): length 14.9
  Bottom w0.25: Q55.1 159.75,65.47 164.62,60.6 170.77,60.6 U27.6
Net-(Q56-D): length 6.2
  Bottom w0.25: U26.8 117.24,73.2 Q56.1
Net-(Q57-D): length 11.5
  Bottom w0.25: U27.8 169.56,74.52 169.56,71.52 Q57.1
Net-(Q58-D): length 9
  Bottom w0.25: U26.9 116.27,72.05 113.48,69.26 Q58.1
Net-(Q59-D): length 7.4
  Bottom w0.25: U27.9 161.94,69.94 Q59.1
Net-(Q60-D): length 12.6
  Bottom w0.25: Q60.1 110.68,65.71 108.28,68.11 108.28,74.4 U26.12
Net-(Q61-D): length 6
  Bottom w0.25: Q61.1 157.88,73.5 U27.12
Net-(Q63-D): length 7.1
  Bottom w0.25: U28.6 121.35,38.74 Q63.1
Net-(Q63-S): length 77.1
  Bottom w0.67: 111.52,41.76 Q69.3 Q63.3 117.62,41.76 Q65.3 ; 162.96,41.83 Q64.3 ; 162.96,41.83 162.22,41.83 160.56,43.49 ; 162.96,41.83 Q66.3 ; Q65.3 Q67.3 ; Q65.3 121.23,43.42 Q71.1 125.41,46.51 157.54,46.51 160.56,43.49 ; 160.56,43.49 Q70.3 ; Q68.3 163.76,43.49
Net-(Q64-D): length 10.5
  Bottom w0.25: Q64.1 164.71,40.88 171.06,34.53 U29.6
Net-(Q65-D): length 6
  Bottom w0.25: Q65.1 117.4,48.36 U28.8
Net-(Q66-D): length 9.9
  Bottom w0.25: U29.8 170.63,48.45 170.63,41.94 Q66.1
Net-(Q67-D): length 9.1
  Bottom w0.25: U28.9 116.27,46.51 114.13,44.37 Q67.1
Net-(Q68-D): length 5.7
  Bottom w0.25: U29.9 166.77,45.35 Q68.1
Net-(Q69-D): length 12.5
  Bottom w0.25: U28.12 108.28,49.4 108.28,43.38 110.84,40.81 Q69.1
Net-(Q70-D): length 7.1
  Bottom w0.25: Q70.1 161.84,44.44 158.68,47.6 158.68,49.3 U29.12
Net-(Q72-D): length 7.4
  Bottom w0.25: Q72.1 121.35,13.83 U30.6
Net-(Q72-S): length 80.7
  Bottom w0.67: 123.11,20.13 Q80.1 ; 123.11,20.13 119.98,17 Q78.3 ; 123.11,20.13 123.96,20.99 145.06,20.99 149.62,16.43 Q73.3 ; 123.11,20.13 121.63,18.66 Q76.3 ; Q73.3 Q75.3 ; Q73.3 161.73,16.43 Q79.3 Q77.3
Net-(Q73-D): length 10.9
  Bottom w0.25: Q73.1 164.88,15.48 170.83,9.53 U31.6
Net-(Q74-D): length 5.8
  Bottom w0.25: U30.8 117.32,23.28 Q74.1
Net-(Q75-D): length 10.4
  Bottom w0.25: U31.8 170.98,23.1 170.98,16.54 Q75.1
Net-(Q76-D): length 8.7
  Bottom w0.25: Q76.1 113.75,19.61 116.27,22.13 U30.9
Net-(Q77-D): length 6.3
  Bottom w0.25: U31.9 166.77,20.31 Q77.1
Net-(Q78-D): length 12.5
  Bottom w0.25: U30.12 107.95,24.07 107.95,18.94 110.84,16.05 Q78.1
Net-(Q79-D): length 7.1
  Bottom w0.25: Q79.1 161.44,19.04 158.78,21.7 158.78,24.4 U31.12
Net-(Q81-S): length 45.9
  Bottom w0.67: 138.86,15.05 Q89.1 ; 138.86,15.05 137.49,13.68 ; 138.86,15.05 Q81.3 135.38,18.53 ; Q89.1 141.05,13.97 Q84.3 ; Q89.1 144.61,12.58 Q82.3 ; Q86.3 137.49,13.68 ; 137.49,13.68 135.97,13.68 133.94,11.66 Q88.3 ; Q83.3 133.43,17.66 134.3,18.53 135.38,18.53 ; 131.58,19.68 129.87,17.97 Q85.3 ; 131.58,19.68 134.23,19.68 135.38,18.53 ; 131.58,19.68 128.03,19.68 126.32,17.97 Q87.3
Net-(U1-Y7): length 94.9
  Top w0.25: v1(79.84,43.42) 79.48,43.42 68.98,32.92 68.98,8.88 67.96,7.86 47.64,7.86 41.55,13.96 v1(22.24,13.96)
  Bottom w0.25: U3.3 79.58,43.67 v1(79.84,43.42) ; v1(22.24,13.96) 21.74,14.46 U1.11 21.67,15.42 R1.1
Net-(U3-Pad4): length 15
  Top w0.25: v1(79.84,44.94) 71.52,44.94 v1(68.98,42.4)
  Bottom w0.25: v1(68.98,42.4) U4.2 ; U3.4 v1(79.84,44.94)
Net-(U3-Pad5): length 20.3
  Bottom w0.25: U4.6 66.55,47.48 66.22,47.81 66.22,49.1 66.5,49.38 79.28,49.38 79.55,49.1 79.55,46.54 79.23,46.21 U3.5
Net-(U6-A0): length 43.6
  In2.Cu w0.25: v1(69.49,44.94) 70.5,45.96 79.85,45.96 81.17,44.64 v1(81.17,34.28)
  Bottom w0.25: U7.14 75.33,20.65 77.25,22.57 80.01,22.57 81.05,23.61 U6.2 81.05,34.15 v1(81.17,34.28) ; v1(69.49,44.94) U4.4
Net-(U6-A1): length 29.5
  Bottom w0.25: U6.3 79.77,28.05 77.11,30.72 75.1,30.72 74.22,29.83 71.43,29.83 70.26,28.67 70.26,24.87 73.43,21.69 73.43,18.64 74.36,17.72 76.89,17.72 77.87,18.7 U7.12
Net-(U6-A2): length 22.5
  Bottom w0.25: U7.13 76.6,18.7 76.27,18.37 74.98,18.37 74.7,18.65 74.7,21.06 72.17,23.6 72.17,25.88 72.8,26.52 72.8,28.67 73.59,29.46 74.37,29.46 75.13,30.21 76.97,30.21 78.51,28.67 U6.4
Net-(U6-A3): length 37.9
  In2.Cu w0.25: v1(69,46.96) 68.76,46.73 68.76,44.64 70.87,42.53 80.18,42.53 80.6,42.11 80.6,34.73 76.62,30.75 v1(76.62,29.38)
  Bottom w0.25: U7.6 79.14,25.6 78.59,26.15 77.62,26.15 77.23,26.53 U6.5 77.23,28.76 v1(76.62,29.38) 76.64,29.36 ; v1(69,46.96) 68.25,46.21 U4.5
Net-(U6-A4): length 11.4
  Bottom w0.25: 75.96,27.59 75.96,28.24 75.26,28.94 74.34,28.94 74.07,28.67 74.07,26.52 74.7,25.88 74.7,23.6 74.98,23.32 76.27,23.32 76.6,23.65 U7.4
Net-(U6-A5): length 5.2
  Bottom w0.25: U6.7 74.7,26.57 75.12,26.15 76.73,26.15 77.87,25 U7.5
Net-(U6-A6): length 12.5
  Bottom w0.25: U7.7 80.41,23.65 79.71,22.95 74.09,22.95 73.42,23.61 U6.8
Net-(U8-Q0): length 3.6
  Bottom w0.25: J1.3 85.67,11.16 U8.12
Net-(U8-Q1): length 4
  Bottom w0.25: J1.5 84.52,12.43 U8.11
Net-(U8-Q2): length 4
  Bottom w0.25: J1.7 84.52,14.97 U8.9
Net-(U8-Q3): length 10
  Bottom w0.25: J1.9 84.02,17 81.3,17 79.27,14.97 U8.6
Net-(U8-Q4): length 15.4
  Bottom w0.25: J1.11 85.73,20.55 82.7,17.51 80.66,17.51 78.75,15.6 76.21,15.6 75.94,15.32 75.94,14.03 76.26,13.7 U8.5
Net-(U8-Q5): length 16.3
  Top w0.25: v1(78.92,12.43) 79.65,12.43 84.09,16.87 84.09,22.16 J1.13
  Bottom w0.25: U8.4 v1(78.92,12.43)
Net-(U8-Q6): length 19.7
  Top w0.25: v1(79.65,13.96) 83.71,18.02 83.71,24.32 J1.15
  Bottom w0.25: v1(79.65,13.96) 79.65,11.92 78.89,11.16 U8.3

## Copper pours and planes (outline as drawn; the poured copper is in the pictures)
+5V on In2.Cu: 173,108 173,1 1,1 1,108
GND on Top, Bottom, In1.Cu: 173,108 173,1 1,1 1,108

## Text on the board
B.Silkscreen: DATA | ADDR | A0 | A1 | A2 | A3 | A4 | A5 | A6 | D0 | D1 | D2 | D3 | D4 | D5 | D6 | D7 | P2 | Sb | Wb | 5V | GND | DISP | CNTR CLK | SA | SB | SC | SD | SE | SF | SG | SH | 3.3V | MISC | 3.3V / REG | U7 | U35 | Rev 1 | Designed and Built by Robbie Mones | A 6502 Project | Nine-Display, Eight-Digit, Seven-Segment Display Driver
plugins.config: { / "ViaStitching": "0.2", / "stitch_zone_0": { / "HSpacing": "50", / "VSpacing": "50", / "Clearance": "1", / "Randomize": false / } / }
